# Altium PCB Elevator.PcbDoc (part 2 of 4) (continued)
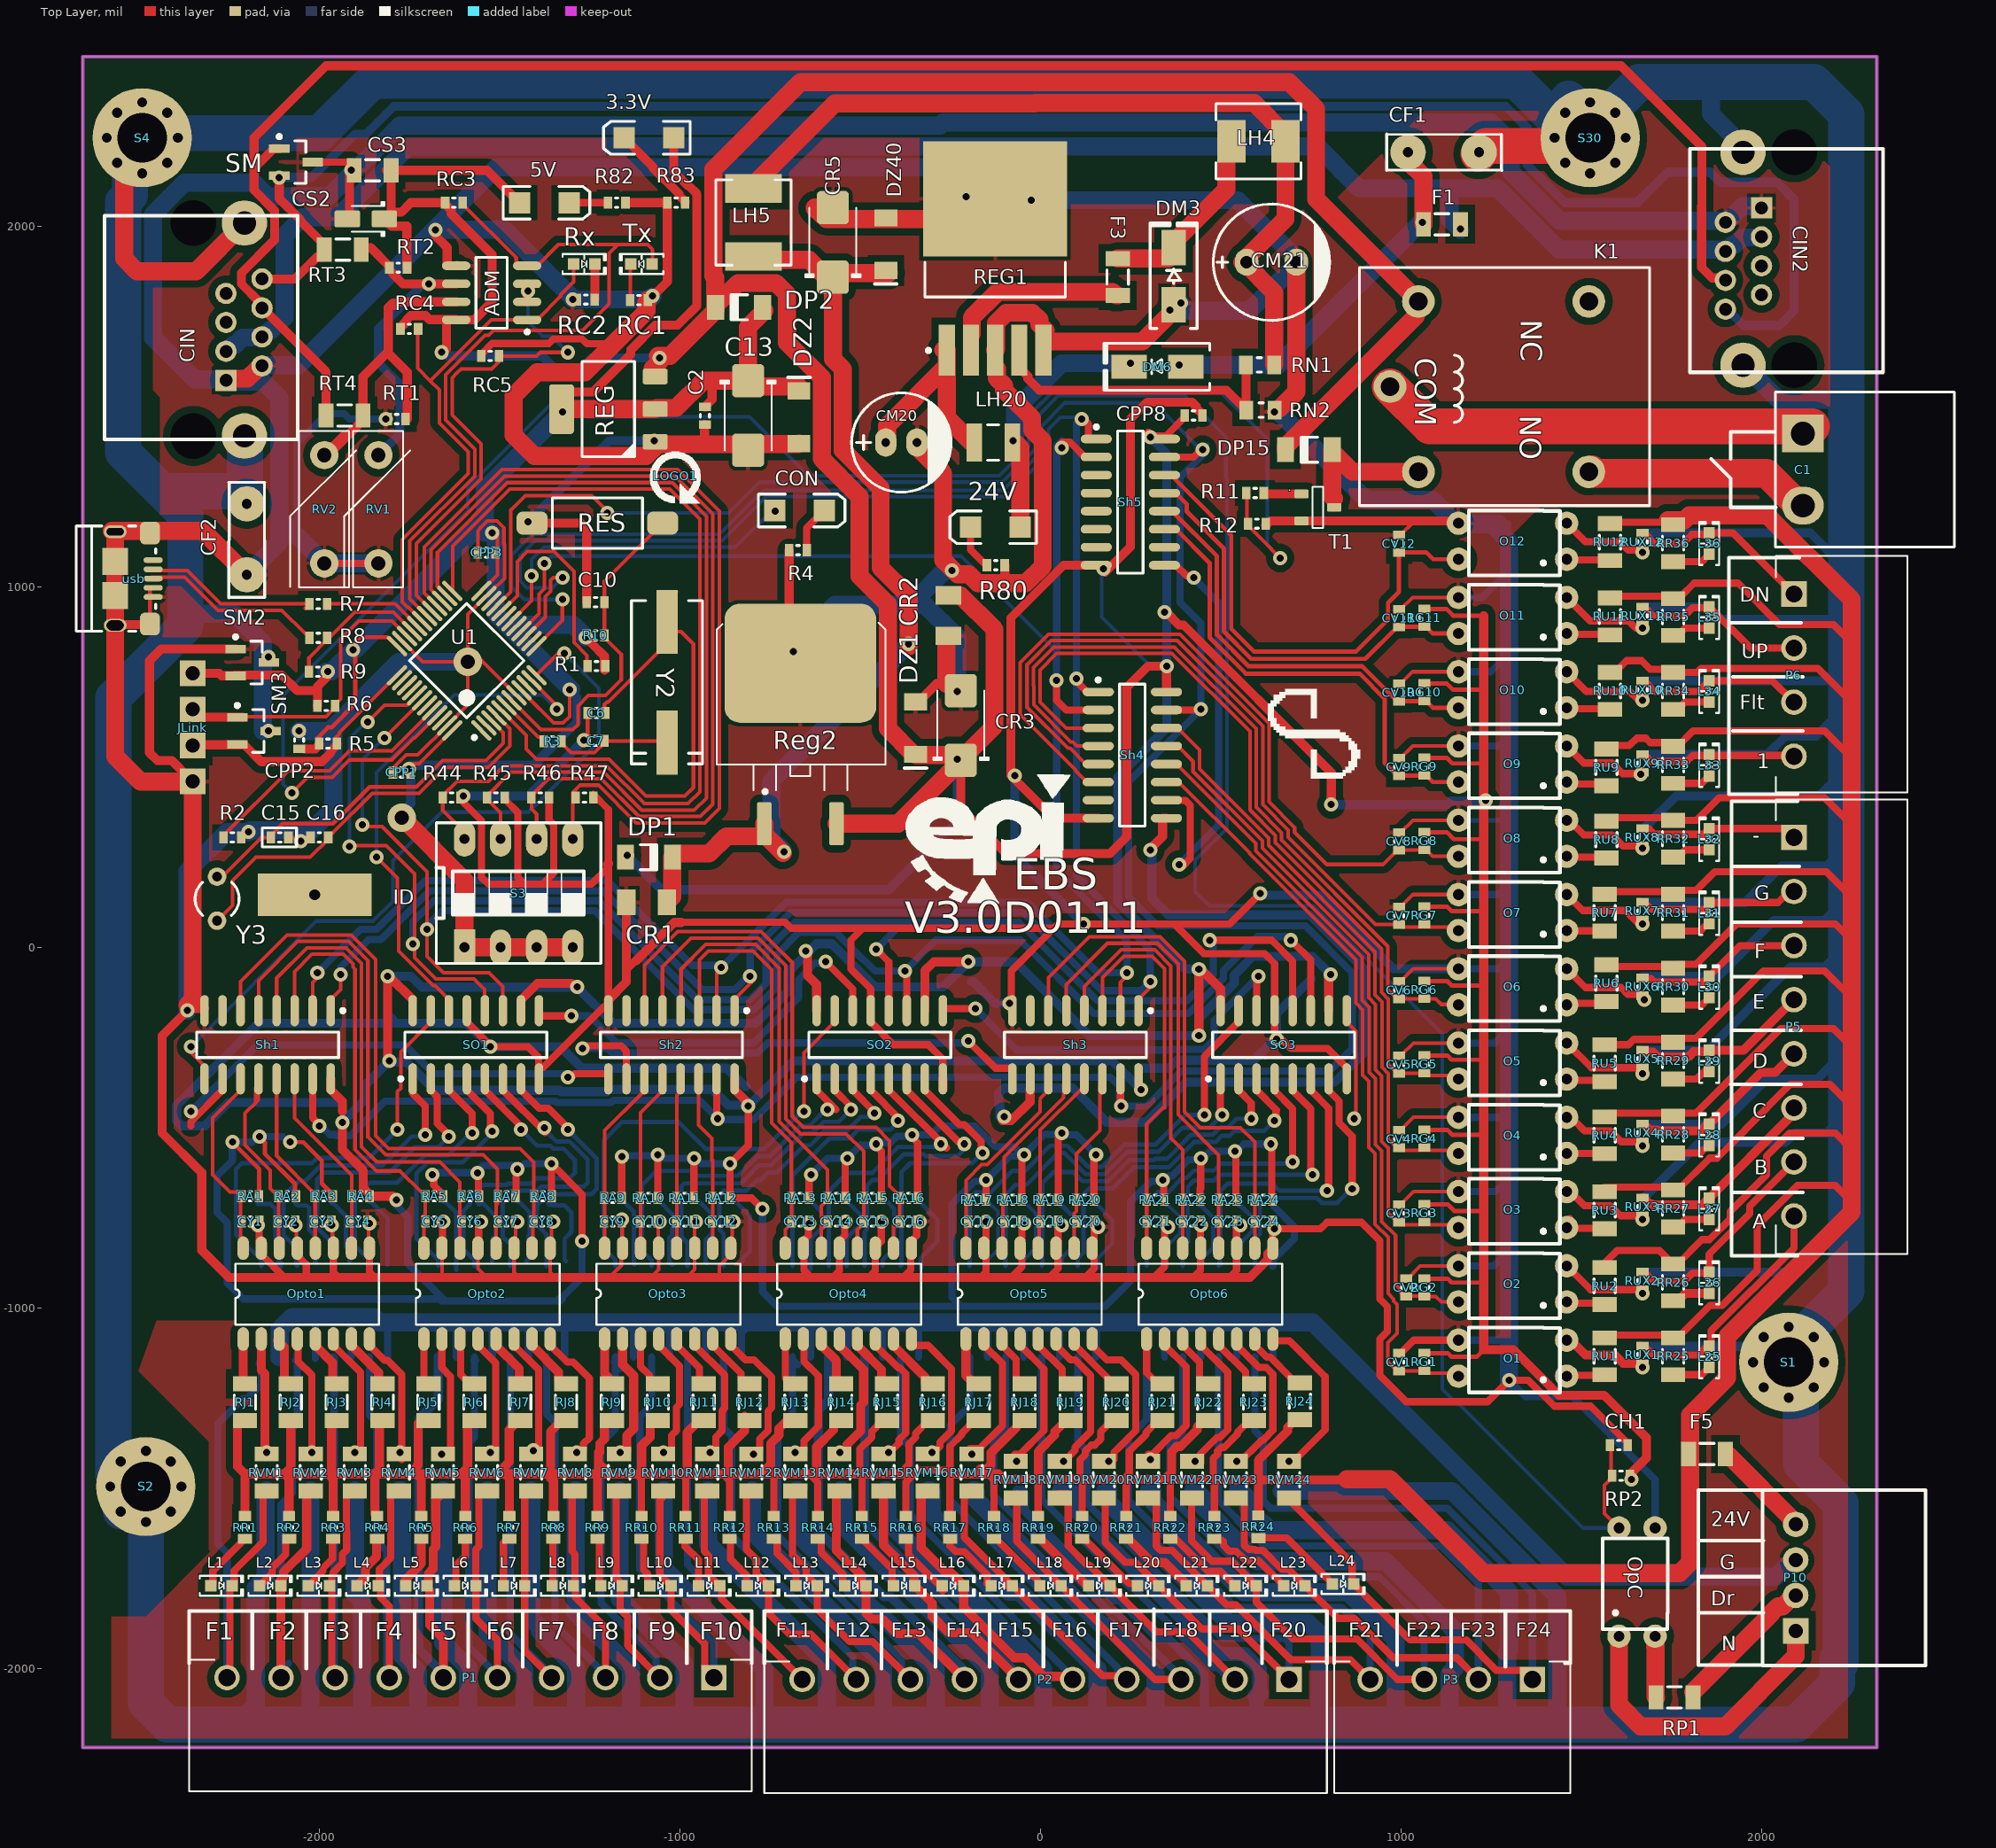
[diagram p0: Top Layer view]
## Nets (pads, with @x,y where several pads share a name; then routed paths per layer and width w, separated by ;. In a path a pad name is that pad's centre, name@x,y a point inside that pad or via, vN(x,y) a via of type N, cw(c..) or ccw(c..) an arc to the next point about the centre after c; other vN are vias at no path point) (continued)
  Bottom Layer w20: v1(-2004.33,-70) -1884.33,50 -1840.38,50 -1705.38,185 -1200,185 -965,-50 v1@-885,-50 ; v1(-884.33,-55) -884.07,-55 -704.07,125 -35.58,125 159.42,-70 v1(240.67,-70) 240.67,18.42 45.67,213.42 v1@45.67,734.33 ; 45,825 45,820 45,740.67 v1(45.67,740) ; 45.67,819.33 45.67,1390.67 60,1405
  other v1: 60,1385
Co1: U1.2
Co2: U1.17
Control: R11.2 R12.2 U1.45 | length 4748.5
  Top Layer w10: v1(-2075.34,428.21) -2031.8,471.75 -1962.97,471.75 -1914.72,520 -1797.96,520 -1737.56,580.4 -1735,580.4 U1.45@-1672.12,643.28 ; R12.2@570,1170 573.51,1173.51 573.51,1257.5 R11.2@571.01,1260 ; R12.2@576.01,1175 576.01,1170.08 640.47,1105.61 640.47,1104.53 v1(665,1080)
  Bottom Layer w10: v1(-2075.34,428.21) -2100,452.87 -2100,698.56 -1587.24,1211.32 -1587.24,1275 -1588.56,1275 -1340.69,1522.87 -1305,1522.87 -1253.56,1471.44 -806.44,1471.44 -642.87,1307.87 -113.56,1307.87 -32.13,1389.31 -32.13,1474.31 41.44,1547.87 492.13,1547.87 630,1410 630,1115 v1(665,1080)
CS485_Comm: ADM.2 ADM.3 RC5.1 U1.29 | length 1403.9
  Top Layer w10: U1.29@-1686.04,932.8 -1730,976.76 -1730,1119.44 -1550,1299.44 -1550,1396.24 -1630.49,1476.72 -1630.49,1579.86 -1617.88,1592.47 -1617.47,1592.47 -1605.55,1604.39 -1520.62,1604.39 -1495.3,1629.71 RC5.1@-1495.3,1634.63 ; RC5.1@-1500.6,1639.93 -1396.4,1639.93 -1386.33,1650 v1(-1310,1650)
  Top Layer w25: ADM.2@-1422.61,1790 ADM.3@-1422.61,1840
  Bottom Layer w10: v1@-1420,1815 -1420,1735 -1380.31,1695.31 -1355.31,1695.31 v1(-1310,1650)
  other v1: -1420,1820
"Data Pin2": SO1.14 U1.11 | length 1451.6
  Top Layer w10: v1@-1835,250 -1835,245 -1782.09,192.09 -1782.09,157.91 -1779.19,155 -1779.19,-9.77 -1683.21,-105.75 -1678.13,-105.75 -1639.86,-144.02 SO1.14@-1639.86,-175.51 ; U1.11@-1410.44,740.71 v1@-1335,665.27
  Bottom Layer w10: v1@-1840,255 -1840,485 -1625,700 -1380,700 v1(-1340,660)
  other v1: -1840,250
DataPin: U1.14
DataPin2: Sh1.9 U1.12 | length 2036.4
  Top Layer w10: v1@-2355,-280 -2355,-291.65 -2317.35,-329.31 Sh1.9@-2317.35,-364.49 ; U1.12@-1396.52,754.63 -1336.15,815 v1(-1320,815) v1@-1315,815
  Bottom Layer w10: v1@-2350,-275 -2350,-270 -2007.13,72.87 -1849.86,72.87 -1794.93,127.8 -1794.93,240.07 -1660,375 -1418.95,375 -1223.67,570.28 -1223.67,718.67 v1(-1320,815)
  other v1: -2355,-275
EARTH: CF1.1 CF2.2 CIN2.9 CIN.9 CQQ1.2 CQQ2.2 CQQ3.2 CQQ4.2 CQQ5.2 CQQ6.2 CQQ7.2 CQQ8.2 CQQ9.2 CQQ10.2 CQQ11.2 CQQ12.2 CQQ13.2 CQQ14.2 CQQ15.2 CQQ16.2 CQQ17.2 CQQ18.2 CQQ19.2 CQQ20.2 CQQ21.2 CQQ22.2 CQQ23.2 CQQ24.2 CQQ25.1 CQQ26.1 CQQ27.1 CQQ28.1 CQQ29.1 CQQ30.1 CQQ31.1 CQQ32.1 CQQ33.1 CQQ34.1 CQQ35.1 CQQ36.1 S1.0 S2.0 S4.0 S30.0 SM2.3 SM3.3 | length 48044.6
  Top Layer w50: S4.0@-2540,2165 -2540,1910 -2505,1875 -2340.27,1875 CIN.9@-2206.57,2008.7
  Top Layer w100: CF1.1@1215,2200 1237.2,2222.2 1502.2,2222.2 S30.0@1525,2245
  Bottom Layer w25: CQQ18.2@-64.35,-1505 -51.55,-1505 -43.38,-1513.17 -43.38,-1562.42 203.83,-1809.63 220.44,-1809.63 327.37,-1916.56 355.49,-1916.56 455,-2016.08 455,-2155 455,-2170 ; CQQ25.1@1670,-1105.5 1670.69,-1106.19 2043.81,-1106.19 S1.0@2050,-1100 ; CQQ26.1@1670,-900.5 2089.5,-900.5 2210,-780 ; CQQ27.1@1670,-695.5 1673.54,-695.5 1829.05,-540 2066.08,-540 2091.08,-515 2180,-515 2205,-490 ; CQQ28.1@1670,-490.5 1889.5,-490.5 2015,-365 2155,-365 2210,-310 ; CQQ29.1@1670,-285.5 1849.5,-285.5 2080,-55 2175,-55 2210,-20 ; CQQ30.1@1670,-80.5 1879.5,-80.5 2035,75 2175,75 2215,115 ; CQQ31.1@1670,124.5 1954.5,124.5 2055,225 2180,225 2215,260 ; CQQ32.1@1670,329.5 1673.54,329.5 1764.05,420 2160,420 2205,465 ; CQQ33.1@1670,534.5 2015.57,534.5 2066.88,585.81 2150.81,585.81 2195,630 ; CQQ34.1@1670,739.5 2204.5,739.5 2215,750 ; CQQ35.1@1670,944.5 1852.02,944.5 1886.52,910 2190,910 2200,900 ; CQQ36.1@1670,1149.5 2135.5,1149.5 2205,1080
  Bottom Layer w40: CQQ19.2@86.22,-1511.22 86.22,-1550.78 494.81,-1959.37 565.97,-1959.37 608.31,-2001.71 608.31,-2068.01 ; 600,-2125 600,-2076.32
  Bottom Layer w50: -2370,925 -2235,925 -2155,845 v1@-2155,600 ; -2205,-2130 -2175,-2100 -2175,-1775.43 -2147.87,-1748.31 -2147.87,-1507.87 CQQ1.2@-2145,-1505 ; CQQ2.2@-2022.61,-1505 -2023.31,-1505.7 -2023.31,-2116.69 -2010,-2130 ; CQQ3.2@-1900.22,-1505 -1900.22,-1792.82 -1880,-1813.04 -1880,-2105 ; CQQ4.2@-1777.83,-1505 -1773.69,-1505 -1769.36,-1509.33 -1769.36,-1964.04 -1725,-2008.4 -1725,-2145 ; CQQ5.2@-1655.43,-1505 -1655.43,-1927.96 -1586.69,-1996.71 -1586.69,-2128.31 -1565,-2150 ; CQQ6.2@-1533.04,-1505 -1533.04,-1900.36 -1430,-2003.4 -1430,-2135 -1435,-2140 ; CQQ7.2@-1410.65,-1505 -1410.65,-1862.22 -1387.87,-1885 -1387.87,-1895.53 -1286.69,-1996.71 -1286.69,-2121.69 -1300,-2135 ; CQQ8.2@-1288.26,-1505 -1288.26,-1845.14 -1135,-1998.4 -1135,-2155 ; CQQ9.2@-1165.87,-1505 -1165.87,-1807 -986.69,-1986.18 -986.69,-2126.69 -990,-2130 ; CQQ10.2@-1043.48,-1505 -1043.48,-1721.52 -765,-2000 -765,-2155 ; CQQ11.2@-921.09,-1505 -921.09,-1653.91 -591.69,-1983.31 -591.69,-2141.69 -595,-2145 ; CQQ12.2@-798.7,-1505 -798.7,-1620.53 -435,-1984.23 -435,-2155 ; CQQ13.2@-676.3,-1505 -674.37,-1505 -670.04,-1509.33 -670.04,-1627.93 -451.28,-1846.69 -446.71,-1846.69 -290,-2003.4 -290,-2125 -295,-2130 ; CQQ14.2@-553.91,-1505 -549.78,-1505 -545.45,-1509.33 -545.45,-1605.58 -395.09,-1755.94 -387.46,-1755.94 -140,-2003.4 -140,-2155 ; CQQ15.2@-431.52,-1505 -427.39,-1505 -423.06,-1509.33 -423.06,-1592.01 -218.21,-1796.86 -196.54,-1796.86 8.31,-2001.71 8.31,-2126.69 5,-2130 ; CQQ16.2@-309.13,-1505 -305,-1505 -300.67,-1509.33 -300.67,-1571.47 -85.55,-1786.59 -56.81,-1786.59 158.31,-2001.71 158.31,-2126.69 155,-2130 ; CQQ17.2@-186.74,-1505 -182.61,-1505 -178.27,-1509.33 -178.27,-1531.12 173.49,-1882.88 189.48,-1882.88 320,-2013.4 320,-2135 ; CQQ19.2@58.04,-1505 62.18,-1505 66.51,-1509.33 84.33,-1509.33 CQQ19.2@86.22,-1511.22 ; CQQ20.2@180.43,-1505 184.57,-1505 188.9,-1509.33 188.9,-1539.26 523.26,-1873.62 743.62,-1873.62 775,-1905 775,-2105 ; CQQ21.2@302.83,-1505 306.96,-1505 311.29,-1509.33 311.29,-1534.46 564.71,-1787.87 853.51,-1787.87 985,-1919.37 985,-2131.03 ; CQQ22.2@425.22,-1505 429.35,-1505 452.13,-1527.77 452.13,-1551.49 501.38,-1600.75 501.38,-1603.28 581.72,-1683.62 584.25,-1683.62 602.76,-1702.13 957.76,-1702.13 1150,-1894.37 1150,-1998.4 1135,-2013.4 1135,-2112.7 1120,-2127.7 ; CQQ23.2@547.61,-1505 551.74,-1505 575.79,-1529.04 575.79,-1553.89 587.13,-1565.23 587.13,-1567.76 617.24,-1597.87 619.77,-1597.87 638.28,-1616.38 1128.98,-1616.38 1300,-1787.4 1300,-1949.71 1294.49,-1955.22 1294.49,-2125.56 ; 600,-2076.32 608.31,-2068.01 ; CQQ24.2@670,-1507.2 1141.07,-1507.2 1433.31,-1799.44 1433.31,-2135.71 1452.6,-2155 ; 1860,2380 1860,2311.29 1948.82,2222.47 CIN2.9@1948.82,2204.96 ; CIN2.9@1948.82,1614.41 1952.24,1614.41 2048.1,1518.54 2193.54,1518.54 2215,1540
  Bottom Layer w100: S2.0@-2549.6,-1564.6 S2.0@-2480,-1495 S2.0@-2480,-1593.43 -2480,-2095 -2420,-2155 -1135,-2155 -765,-2155 -435,-2155 -140,-2155 455,-2155 1452.6,-2155 2095,-2155 2210,-2040 2210,-1975 ; S2.0@-2540,-1495 -2570,-1465 -2570,692.71 -2370,892.71 -2370,925 -2370,1200 -2542.87,1372.87 -2542.87,2066.9 -2523.6,2086.18 -2523.6,2211.4 S4.0@-2490,2245 ; S4.0@-2420.4,2258.28 -1996.25,2258.28 -1851.69,2402.83 1319.65,2402.83 S30.0@1447.49,2275 ; -2405,1265 -2235,1265 CF2.2@-2200,1230 ; CIN.9@-2206.57,1418.15 -2205,1416.58 CF2.2@-2205,1260 ; S30.0@1457.49,2255 S30.0@1467.49,2255 ; S30.0@1464.79,2353.99 S30.0@1523.78,2295 ; S30.0@1516.22,2255 1661.22,2400 2145,2400 2235,2310 2235,1540 2235,-490 2235,-780 2235,-953 2075.4,-1112.59 S1.0@2075.4,-1150.4 2109,-1184 2109,-1431.51 2220,-1542.51 2220,-1983.95
  other v1: -2140,600 -2140,805
GND: ADM.5 C2.1 C6.2 C7.2 C10.2 C13.2 C15.2 C16.1 CF2.1 CH1.1 CIN2.1 CIN2.2 CIN.1 CIN.2 CM20.2 CM21.2 CPP1.2 CPP2.2 CPP3.2 CPP5.1 CPP6.1 CPP7.1 CPP8.1 CPP9.1 CPP10.1 CPP11.1 CPP12.1 CR1.2 CR2.2 CR3.2 CR5.2 CS2.2 CS3.2 CV1.1 CV2.1 CV3.1 CV4.1 CV5.1 CV6.1 CV7.1 CV8.1 CV9.1 CV10.1 CV11.1 CV12.1 CY1.1 CY2.1 CY3.1 CY4.1 CY5.1 CY6.1 CY7.1 CY8.1 CY9.1 CY10.1 CY11.1 CY12.1 CY13.1 CY14.1 CY15.1 CY16.1 CY17.1 CY18.1 CY19.1 CY20.1 CY21.1 CY22.1 CY23.1 CY24.1 DM3.1 DZ1.1 DZ2.1 DZ40.1 JLink.1 O1.3 O2.3 O3.3 O4.3 O5.3 O6.3 O7.3 O8.3 O9.3 O10.3 O11.3 O12.3 OpC.3 Opto1.9 Opto1.11 Opto1.13 Opto1.15 Opto2.9 Opto2.11 Opto2.13 Opto2.15 Opto3.9 Opto3.11 Opto3.13 Opto3.15 Opto4.9 Opto4.11 Opto4.13 Opto4.15 Opto5.9 Opto5.11 Opto5.13 Opto5.15 Opto6.9 Opto6.11 Opto6.13 Opto6.15 R2.2 R4.1 R12.1 R44.1 R45.1 R46.1 R47.1 R80.1 R82.1 R83.1 RC1.1 RC2.1 RC5.2 REG1.3 REG1.5 REG1.6 Reg2.4 REG.1 RES.1 RF1.2 RF2.2 RF3.2 RF4.2 RF5.2 RF6.2 RF7.2 RF8.2 RF9.2 RF10.2 RF11.2 RF12.2 RF13.2 RF14.2 RF15.2 RF16.2 RF17.2 RF18.2 RF19.2 RF20.2 RF21.2 RF22.2 RF23.2 RF24.2 RN2.2 RT1.2 RV1.1 RV2.1 Sh1.8 Sh2.8 Sh3.8 Sh4.8 Sh5.8 SM2.1 SM.3 SO1.8 SO1.13 SO2.8 SO2.13 SO3.8 SO3.13 T1.2 U1.8 U1.23 U1.35 U1.47 usb.4 usb.5 usb.S | length 55428.3
  Top Layer w10: usb.S@-2470.51,894.8 usb.S@-2468.54,896.77 -2468.54,994.51 -2465.89,997.17 usb.4@-2459.69,997.17 ; C15.2@-2084.69,304.77 C16.1@-2023.34,304.77 ; CY2.1@-2065,-775 -2062.5,-777.5 -2062.5,-831.52 Opto1.13@-2060,-834.02 ; Opto1.11@-1960,-834.02 -1962.5,-831.52 -1962.5,-777.5 CY3.1@-1960,-775 ; Opto1.9@-1860,-834.02 -1862.75,-831.26 -1862.75,-771.73 -1861.02,-770 CY4.1@-1860,-770 ; CPP1.2@-1795,495 -1791.16,495 -1789.42,496.73 -1789.42,502.13 -1757.71,533.84 -1725.88,533.84 U1.47@-1644.29,615.44 -1587.24,672.49 v4@-1587.24,782.24 ; U1.35@-1769.56,849.29 -1712.24,791.97 v4@-1603.03,791.97 ; Opto2.15@-1659,-834.02 -1659,-906 -1650,-915 ; v4(-1587.24,791.97) -1587.24,923.04 U1.23@-1535.71,974.56 ; CPP3.2@-1559.5,1095 -1559.5,1154.39 -1552.56,1161.33 -1552.56,1163.49 -1533.49,1182.56 -1506.51,1182.56 -1487.13,1163.17 -1487.13,1118.71 -1485.82,1117.4 -1485.82,1023.18 U1.23@-1522,987 ; Opto2.13@-1559,-834.02 -1559,-891 -1535,-915 ; v4@-1548.24,795 U1.8@-1452.2,698.96 ; CY7.1@-1446.32,-765 -1454.89,-773.57 -1454.89,-829.9 Opto2.11@-1459,-834.02 -1459,-901 -1445,-915 ; -1345,-915 -1359,-901 Opto2.9@-1359,-834.02 -1354.89,-829.9 -1354.89,-769.89 CY8.1@-1345,-760 ; C7.2@-1255,574.6 C6.2@-1255,645 ; -1190,-910 -1161.69,-881.69 -1161.69,-837.71 Opto3.15@-1158,-834.02 -1159.25,-832.76 -1159.25,-760.75 CY9.1@-1165,-755 ; -1080,-915 -1058,-893 Opto3.13@-1058,-834.02 -1059.25,-832.76 CY10.1@-1059.25,-755.75 ; -980,-915 -958,-893 Opto3.11@-958,-834.02 CY11.1@-958,-772 ; -890,-915 -890,-882.94 -858,-850.94 Opto3.9@-858,-834.02 -854,-830.02 CY12.1@-854,-759 ; CV3.1@995,-712.84 999.92,-712.84 1035.65,-677.11 O3.3@1160,-677.11 ; CV4.1@995,-506.5 999.92,-506.5 1035.24,-471.18 O4.3@1160,-471.18 ; CV5.1@995,-300.17 999.92,-300.17 1034.84,-265.25 O5.3@1160,-265.25 ; CV6.1@995,-93.84 999.92,-93.84 1034.44,-59.32 O6.3@1160,-59.32 ; CV7.1@995,112.5 999.92,112.5 1034.04,146.61 O7.3@1160,146.61 ; CV8.1@995,318.83 999.92,318.83 1033.64,352.55 O8.3@1160,352.55 ; CV9.1@995,525.16 999.92,525.16 1033.24,558.48 O9.3@1160,558.48 ; CV10.1@995,731.5 999.92,731.5 1032.83,764.41 O10.3@1160,764.41 ; CV11.1@995,937.83 999.92,937.83 1032.43,970.34 O11.3@1160,970.34 ; CV12.1@995,1144.16 999.92,1144.16 1032.03,1176.27 O12.3@1160,1176.27 ; CV2.1@1015,-918.1 1019.92,-918.1 1035.39,-902.63 1035.39,-901.52 1053.87,-883.04 O2.3@1160,-883.04
  Top Layer w20: CY1.1@-2165.5,-760 -2165.5,-808.47 -2162.2,-811.78 Opto1.15@-2162.2,-834.02 ; Opto1.15@-2160,-834.02 -2160,-850.94 -2095.94,-915 ; Opto1.13@-2060,-834.02 -2060,-854.06 -2035,-879.06 -2035,-910 ; SM.3@-2017.48,2177.4 CS3.2@-1912.87,2177.4 ; RV2.1@-1985,1065 RV1.1@-1850,1065 ; Opto1.11@-1960,-834.02 -1960,-900 -1945,-915 ; Opto1.9@-1860,-834.02 -1860,-900 -1850,-910 ; Opto2.15@-1660,-820 -1657.25,-817.25 -1657.25,-761.75 CY5.1@-1655.5,-760 ; R44.1@-1607.75,415.53 -1607.75,410.61 -1548.89,351.74 -1548.89,193.89 -1530,175 -1430,175 ; SO1.13@-1589.86,-175.51 -1589.86,-207.01 -1521.87,-275 -1420,-275 -1390.55,-304.45 SO1.8@-1390.55,-334.72 ; Opto2.13@-1560,-820 -1557.25,-817.25 -1557.25,-761.75 CY6.1@-1555.5,-760 ; RC5.2@-1549.59,1639.93 -1549.59,1644.85 -1520.56,1673.88 -1520.47,1673.88 -1519.81,1674.54 -1362.16,1674.54 -1349.14,1687.56 -1270.93,1687.56 -1257.25,1673.88 -1182.76,1673.88 ; R45.1@-1484.77,415.53 -1484.77,410.61 -1448.89,374.72 -1448.89,193.89 -1430,175 ; SO1.8@-1389.86,-364.49 -1389.86,-334.72 -1388.19,-333.05 -1378.05,-333.05 Sh2.8@-1208.96,-163.96 ; -1375,180 -1348.89,206.11 -1348.89,339.84 -1361.79,352.75 R46.1@-1361.79,415.53 ; R47.1@-1240,425 -1197.42,382.42 -1197.42,232.58 ; Sh2.8@-1197.42,-145.39 -1197.42,222.58 -1245,175 -1430,175 ; -1147.55,-63.45 -1122.79,-38.69 ; -996,69 -995,70 -707.65,70 -690.76,53.11 -491.89,53.11 ; Opto4.15@-657,-834.02 -654.8,-836.22 -654.8,-895.2 -640,-910 ; Opto4.15@-655,-815 -655,-811.98 -642.31,-799.29 -642.31,-761.81 CY13.1@-640.5,-760 ; -575,-915 -557,-897 Opto4.13@-557,-834.02 ; Opto4.13@-560,-830 -560,-816.98 -542.31,-799.29 -542.31,-761.81 CY14.1@-540.5,-760 ; -475,-915 -457,-897 Opto4.11@-457,-834.02 ; SO2.13@-469.93,-175.51 SO2.13@-469.93,-185.07 ; Opto4.11@-450,-825 -440.62,-815.62 -440.62,-760.12 CY15.1@-440.5,-760 ; -380,-915 -359.2,-894.2 -359.2,-836.22 Opto4.9@-357,-834.02 ; Opto4.9@-355,-835 -355,-811.98 -342.31,-799.29 -342.31,-761.81 CY16.1@-340.5,-760 ; SO2.8@-270,-365 -270,-310 -310,-270 -406.94,-270 -469.93,-207.01 SO2.13@-469.93,-185.07 ; -165,-915 -150.5,-900.5 CY17.1@-150.5,-760 ; -80,-915 -50.5,-885.5 CY18.1@-50.5,-760 ; Sh3.8@-80,-180 -80,-65 38.11,53.11 ; 25,-915 49.5,-890.5 CY19.1@49.5,-760 ; 130,-910 149.5,-890.5 CY20.1@149.5,-760 ; 320,-910 344.5,-885.5 CY21.1@344.5,-760 ; 430,-910 444.5,-895.5 CY22.1@444.5,-760 ; 525,-915 544.5,-895.5 CY23.1@544.5,-760 ; v2(610,150) 525,65 371.88,65 ; Opto6.9@644.5,-835.5 v2@644.5,-780 ; v2(650,-780) 777.56,-780 795,-762.56 891.35,-762.56 942.13,-813.33 942.13,-974.93 962.99,-995.79 962.99,-1065 941.5,-1086.49 941.5,-1186.5 1015,-1260 1240,-1260 v2(1300,-1200) 1353.29,-1200 1425.52,-1272.22 1526.14,-1272.22 1628.99,-1375.08 CH1.1@1628.99,-1380 ; SO3.13@650,-207.01 SO3.13@650,-175.51 650,-45 622.56,-17.56 454.44,-17.56 371.88,65 ; SO3.13@650,-200 650,-235 695,-280 797.01,-280 850,-332.99 SO3.8@850,-364.49 ; CV1.1@995,-1125.5 999.92,-1125.5 1036.45,-1088.98 O1.3@1160,-1088.98 ; -491.89,53.11 38.11,53.11 ; -491.89,53.11 -525,20 -525,-60 -470,-115 -470,-185 SO2.13@-469.93,-185.07 ; 38.11,53.11 50,65 v2(120,65) 371.88,65
  Top Layer w25: usb.S@-2565,892.83 -2563.03,894.8 usb.S@-2470.51,894.8 ; usb.S@-2565,1152.68 -2563.03,1150.71 -2470.51,1150.71 usb.S@-2468.54,1148.74 usb.S@-2468.54,1145.5 ; v2@-2375,-170 Sh1.8@-2317.35,-170 ; v2(-2365,-175) -2435,-245 -2435,-515 -2325,-625 -2325,-840 -2250,-915 -2095.94,-915 -1945,-915 -1650,-915 -1535,-915 -1445,-915 -1345,-915 -1080,-915 -980,-915 -890,-915 -575,-915 -475,-915 -380,-915 -165,-915 -80,-915 25,-915 525,-915 582.03,-915 631.12,-865.91 631.12,-848.88 Opto6.9@644.5,-835.5 ; JLink.1@-2360,460 -2360,470 -2408.29,518.29 -2448.29,518.29 -2470,540 -2470,795 -2437.6,827.4 SM2.1@-2231.26,827.4 ; CS2.2@-1921.18,2020 -1915,2026.18 CS3.2@-1915,2142.2 ; RV1.1@-1835,1065 RV1.1@-1824.72,1075.28 ; v2(-1677.12,1990) -1677.12,1973.25 -1644.56,1940.69 -1644.56,1890.69 -1643.88,1890 ADM.5@-1619.46,1890 -1617.92,1890 ADM.5@-1617.23,1890.69 ; RES.1@-1408.87,1176.48 -1273.43,1176.48 -1257.3,1160.36 C10.2@-1257.3,957 ; -1200,230 -1197.42,232.58 ; Sh2.8@-1197.42,-175.51 -1197.42,-145.39 -1147.55,-95.52 -1147.55,-63.45 CR1.2@-1147.55,125 ; R82.1@-1150,2065 R83.1@-1033.99,2065 -1033.99,1846.01 RC1.1@-1077.5,1802.5 ; -1122.79,-38.69 -1015.1,69 -996,69 ; RC1.1@-1085.42,1792.74 -1077.75,1800.41 -1077.75,1802.75 RC1.1@-1080,1805 ; -940,1390 -935,1395 -930.69,1399.31 -930.69,1449.31 C2.1@-930,1450 ; Reg2.4@-696.29,819.33 R4.1@-696.29,1101.48 ; DZ1.1@-345.49,680.79 -337.62,680.79 -286.95,731.46 CR3.2@-260,731.46 ; SO2.8@-269.93,-394.61 SO2.8@-269.93,-364.49 ; R80.1@-98.65,1059.76 -97.96,1059.07 -97.96,1012.96 -95.16,1010.16 -90,1005 ; Sh5.8@124.7,1059.74 64.74,1059.74 -81.37,913.63 -81.37,476.75 37.12,358.26 Sh4.8@161.02,358.26 ; v2@180,1040 250,1110 250,1465 297.11,1512.11 420.75,1512.11 432.69,1500.17 432.69,1495.35 449.5,1478.54 CPP8.1@449.5,1475 ; R12.1@625,1170 637.6,1182.6 T1.2@724.72,1182.6 1162.6,1182.6 O12.3@1165,1185
  Top Layer w50: usb.S@-2575,1155 -2321.85,1155 CF2.1@-2200,1033.15 ; usb.S@-2565,1152.68 usb.S@-2565,1070 usb.S@-2565,975.51 usb.S@-2565,892.83 -2565,530 -2495,460 -2360,460 JLink.1@-2350,460 -2350,-145 v2@-2365,-160 ; CIN.1@-2257.75,1572.48 -2253.22,1577.01 -2197.99,1577.01 CIN.2@-2170,1605 ; RC1.1@-1087.68,1795 -1091.98,1790.69 -1091.98,1764.65 -1182.76,1673.88 -1262.24,1594.39 -1395.61,1594.39 -1460,1530 -1460,1420 -1402.5,1362.5 -1092.5,1362.5 -1060,1395 -935,1395 -826.46,1395 C13.2@-810,1378.54 ; C13.2@-805,1381.5 -790.71,1395.79 -670.88,1395.79 DZ2.1@-669.51,1397.16 ; Reg2.4@-766.95,885 Reg2.4@-740,885 ; -625,2051.46 -625,2049.49 -605.71,2030.2 -603.74,2030.2 -593.54,2020 -230,2020 REG1.6@-210,2040 ; CM20.2@-341.69,1400 -341.69,1387.71 -269.25,1315.26 -269.25,1074.25 -229.57,1034.57 -197.72,1034.57 -173.31,1010.16 -95.16,1010.16 -39.84,1010.16 7.11,1057.11 7.11,1404.74 -22.32,1434.17 -22.32,1466.77 -100.56,1545 -100.56,1558.55 -120,1578 REG1.3@-120,1605 ; CR2.2@-264.84,863.9 CR2.2@-255,863.9 ; CR3.2@-260,731.46 CR2.2@-260,860 ; REG1.3@-125,1656.06 -122.64,1658.42 -122.64,1731.49 -94.32,1759.8 -21.82,1759.8 -2.56,1740.55 -2.56,1727.56 REG1.5@15,1710 ; REG1.5@15,1680 283.23,1680 370,1766.77 DM3.1@370,1782.52 ; RN2.2@665,1495 710,1540 CM21.2@710,1900
  Bottom Layer w10: v2@170,1050 170,915.93 296.01,789.92 CPP7.1@296.01,785
  Bottom Layer w12: O8.3@1160,352.55 1272.55,352.55 1295,375
  Bottom Layer w20: -2060,1140 -2060,1398.44 -1978.44,1480 -1930,1480 -1915,1465 v2(-1815,1465) ; O1.3@1160,-1088.98 1271.02,-1088.98 1295,-1065 ; O2.3@1160,-883.04 1256.96,-883.04 1295,-845 ; O3.3@1160,-677.11 1262.89,-677.11 1295,-645 ; O4.3@1160,-471.18 1278.82,-471.18 1295,-455 ; O5.3@1160,-265.25 1259.75,-265.25 1295,-230 ; O7.3@1160,146.61 1271.61,146.61 1295,170 ; O9.3@1160,558.48 1273.48,558.48 1295,580 ; O10.3@1160,764.41 1249.41,764.41 1295,810 ; O11.3@1160,970.34 1225.34,970.34 1295,1040 1295,1115 ; O12.3@1160,1176.27 1268.73,1176.27 1270,1175 1295,1150 ; O6.3@1164.32,-59.32 1270.68,-59.32 1295,-35 ; 1295,1130 1295,1150 ; 1295,1175 1295,1150 ; v2(1300,-1200) 1345,-1245 1475,-1245 1705,-1475 OpC.3@1705,-1610
  Bottom Layer w25: CPP10.1@-1940,-430 -2251.38,-430 -2316.44,-495.06 -2380.41,-495.06 -2395.06,-480.41 -2395.06,-438.41 -2166.65,-210 -1590,-210 v2(-1525,-275) ; CPP6.1@-1810,-129.5 -1810,-185 -1795,-200 ; v2(-1600,420) -1420,420 v2(-1265,575) ; v2@-1520,-275 -1330.99,-275 -1270.99,-335 -869.05,-335 -818.54,-385.5 CPP5.1@-815,-385.5 ; v2(-1420,1180) -1195,1405 v2(-1070,1405) ; v2@-1073.53,1803.53 v2@-1070,1807.05 ; CPP11.1@-190,-94.5 -186.46,-94.5 -125.95,-155 v2(-85,-155) ; v2(-70,476.75) -70,255 v2(120,65) ; CPP12.1@280,-335 357.04,-335 379.11,-312.93 592.07,-312.93 v2@647.25,-257.75 ; v2@620,145 775,145 979.32,-59.32 O6.3@1160,-59.32 O6.3@1164.32,-59.32 ; v2@655,-250 655,-184.55 751.01,-88.54 CPP9.1@751.01,-85
  Bottom Layer w50: v2(-2365,-175) -2365,210 -2255,320 v2(-2195,320) ; JLink.1@-2350,460 JLink.1@-2339.57,470.43 ; CIN.1@-2265,1575 -2345,1575 -2460,1690 -2460,2032.58 -2372.58,2120 -2180.06,2120 -2142.5,2082.44 -1972.56,2082.44 -1775.75,2279.25 -276.79,2279.25 -268.96,2287.09 1250.85,2287.09 1304.58,2233.35 1304.58,2151.25 1440.83,2015 CIN2.2@1900,2015 ; CF2.1@-2200,1025 CF2.1@-2200,1033.15 -2110,1123.15 -2110,1190 ; v2@-2190,325 -2020,325 -1960,385 -1960,610 -1778.03,791.97 v4(-1587.24,791.97) ; CIN.2@-2155.3,1612.64 CIN.2@-2157.75,1612.64 -2156.02,1614.37 -2055.63,1614.37 -1506.5,2163.5 -278.5,2163.5 v2@-205,2090 ; CIN.2@-2150,1610 -2182.99,1577.01 -2253.22,1577.01 CIN.1@-2257.75,1572.48 -2253.49,1568.22 -2153.22,1568.22 -2110,1525 -2110,1190 ; v2(-2055,600) -1985,600 ; RV1.1@-1835,1060 -1840,1065 RV2.1@-1985,1065 -2060,1140 -2110,1190 ; v2(-1677.12,1990) -1485,1990 v2@-1300,1805 ; v2(-1296.29,1796.86) -1083.14,1796.86 v2@-1075,1805 ; v1@-685,825 -685,835 -570,950 -320,950 -230,860 v1(-230,710) ; -355,955 -265,1045 v1(-245,1045) ; v2(-25,2071.75) 548.25,2071.75 CM21.2@720,1900 ; v2@390,1785 410,1765 580,1765 710,1895 CM21.2@710,1900 ; v1@655,1490 904.37,1240.63 1088.1,1240.63 1153.73,1175 O12.3@1161.27,1175 ; O12.3@1160,1176.27 O12.3@1161.27,1175 ; 1270,1175 O12.3@1161.27,1175 ; v2@1300,-1205 v2(1300,-1200) 1300,1125 1295,1130 1251.6,1173.4 1162.87,1173.4 O12.3@1161.27,1175 ; CIN2.2@1900,2010.47 1902.45,2010.47 1946.98,2055 CIN2.1@1995,2055
  other v1: -685,820 650,1485
  other v2: 160,-775 355,-775 -2170,-770 -2065,-770 -1965,-770 60,-770 445,-770 555,-770 -1860,-765 -640,-765 -45,-765 -1655,-760 -1550,-760 -1450,-760 -1350,-760 -1055,-760 -955,-760 -850,-760 -540,-760 -440,-760 -335,-760 -150,-760 -1160,-755 655,-255 -2050,295 175,1050 360,1766.75 390,1786.75 -1075,1807.05 -205,2081.75 -1910,2155
GND_Panel: OptoO1.9 OptoO1.11 OptoO1.13 OptoO1.15 OptoO2.9 OptoO2.11 OptoO2.13 OptoO2.15 OptoO3.9 OptoO3.11 OptoO3.13 OptoO3.15 OptoO4.9 OptoO4.11 OptoO4.13 OptoO4.15 OptoO5.9 OptoO5.11 OptoO5.13 OptoO5.15 OptoO6.9 OptoO6.11 OptoO6.13 OptoO6.15 P10.3 | length 6702.5
  Top Layer w50: P10.3@2095,-1698.43 2095,-1700.25 P10.3@2102.47,-1700.25
  Bottom Layer w20: OptoO1.13@-2010,-1140 OptoO1.13@-2010,-1135.98 -2010,-1035 ; OptoO1.11@-1910,-1135.98 -1910,-1040 ; OptoO1.9@-1810,-1135.98 -1810,-1055 -1805,-1050 ; OptoO2.15@-1619,-1135.98 -1619,-1059 -1615,-1055 ; -1525,-1050 -1519,-1056 OptoO2.13@-1519,-1135.98 ; OptoO2.11@-1419,-1135.98 -1419,-1059 -1415,-1055 ; -1325,-1055 -1319,-1061 OptoO2.9@-1319,-1135.98 ; OptoO3.15@-1128,-1135.98 -1128,-1053 -1125,-1050 ; -1035,-1060 -1028,-1067 OptoO3.13@-1028,-1135.98 ; -930,-1060 -928,-1062 OptoO3.11@-928,-1135.98 ; OptoO3.9@-828,-1135.98 -828,-1068 -820,-1060 ; -640,-1040 -637,-1043 OptoO4.15@-637,-1135.98 ; OptoO4.13@-537,-1135.98 -535,-1133.98 -535,-1055 ; -450,-1040 -437,-1053 OptoO4.11@-437,-1135.98 ; -350,-1050 -337,-1063 OptoO4.9@-337,-1135.98 ; -160,-1040 -146,-1054 OptoO5.15@-146,-1135.98 ; OptoO5.13@-46,-1135.98 -46,-1056 -40,-1050 ; 40,-1040 54,-1054 OptoO5.11@54,-1135.98 ; OptoO5.9@154,-1135.98 155,-1134.98 155,-1050 ; 340,-1040 345,-1045 OptoO6.15@345,-1135.98 ; OptoO6.13@445,-1135.98 445,-1040 ; 525,-1040 545,-1060 OptoO6.11@545,-1135.98 ; OptoO6.9@645,-1135.98 645,-1065 655,-1055
  Bottom Layer w50: OptoO1.15@-2110,-1135.98 -2108.62,-1134.61 -2108.62,-1058.62 -2075,-1025 -1847.5,-1025 -1832.5,-1040 -640,-1040 -450,-1040 -160,-1040 40,-1040 340,-1040 445,-1040 525,-1040 755.71,-1040 1460.71,-1745 2040,-1745 2082.58,-1702.42 2085.36,-1702.42 2090,-1697.78 P10.3@2090,-1695
"Latch Pin 2": SO1.12 SO2.12 SO3.12 U1.41 | length 4733.8
  Top Layer w10: v1@-1930,280 -1925,280 -1922.44,282.56 -1813.33,282.56 -1735,204.23 -1735,-28.68 -1675.8,-87.87 -1570,-87.87 -1540.67,-117.2 -1540.67,-174.7 SO1.12@-1539.86,-175.51 ; v1(-1865,625) -1818.18,671.82 -1755.42,671.82 -1728.29,698.96 U1.41@-1727.8,698.96
  Top Layer w20: v1(-455,-5) -419.93,-40.07 SO2.12@-419.93,-175.51 ; v1(470,20) 641.88,20 700,-38.12 SO3.12@700,-175.51
  Bottom Layer w10: v1(-1915,280) -1915,580 v1@-1867.5,627.5
  Bottom Layer w20: v1(-1740,10) -1740,70.58 -1681.33,129.25 -1223.67,129.25 -949.42,-145 -805,-145 -760,-100 -760,-9.77 -680.98,69.25 -58.67,69.25 158.45,-147.87 407.13,-147.87 480,-75 480,10 v1(470,20) ; v1(-455,-5) -390,60
LoadPin: Sh1.1 Sh2.1 Sh3.1 Sh4.1 Sh5.1 U1.15 | length 6981.3
  Top Layer w10: Sh1.1@-1967.35,-175.51 -1967.35,-144.02 -1940,-116.67 v1@-1940,-70 ; U1.15@-1424.36,863.21 -1372.13,915.44 -1372.13,972.6 -1357.13,987.6 -1357.13,1017.87 -1350,1025 v1@-1330,1025 ; Sh2.1@-847.42,-175.51 -847.42,-144.02 v1@-800,-96.6 ; Sh3.1@272.51,-175.51 272.51,-144.02 v1@311.53,-105
  Top Layer w20: v1@100,737.86 129.6,708.26 Sh4.1@161.02,708.26 ; v1@115,1469.76 133.21,1451.55 133.21,1411.41 134.88,1409.74 Sh5.1@155.51,1409.74
  Bottom Layer w10: v1(-1325,1025) -1352.56,997.44 -1423.49,997.44 -1442.56,1016.51 -1442.56,1086.12 -1400.8,1127.87 -882.13,1127.87 -760,1250 -95,1250 22.79,1367.79 22.79,1436.72 56.07,1470 v1@115,1470
  Bottom Layer w20: v1(-1939.33,-75) -1939.33,-54.33 -1862.87,22.13 -1827.87,22.13 -1692.87,157.13 -1212.13,157.13 -937.87,-117.13 -847.13,-117.13 -804.33,-74.33 -804.33,-14.69 -692.52,97.13 -47.13,97.13 170,-120 280,-120 v1(305,-95) ; v1@115,1469.76 100,1454.76 v1(100,745) 100,198.51 305,-6.49 v1@305,-90
  other v1: -804.33,-80 115,1465
Net3.3V_2: 3.3V.2 R83.2 | length 254
  Top Layer w25: 3.3V.2@-1160,2240 -1148.9,2240 -1075.31,2166.41 -1075.31,2163.67 -1001.81,2090.17 -1001.81,2085.35 -985,2068.54 R83.2@-985,2065
Net5V_2: 5V.2 R82.2 | length 107.1
  Top Layer w20: 5V.2@-1306.1,2065 R82.2@-1198.99,2065
Net24V_2: 24V.2 R80.2 | length 122.8
  Top Layer w20: 24V.2@-193.09,1165 -193.09,1103.09 R80.2@-150,1060
NetC1_1: C1.1 K1.1 | length 1215.6
  Top Layer w100: K1.1@970,1555 1080,1445 C1.1@2140,1445